# Altium PCB Main_Fly_V1.0.0.PcbDoc (part 1 of 2)
Units mil, origin at the board's own origin, x right, y up, seen from the top; angles counter-clockwise.
Board outline 3667.19 x 3670.52 mil, 2 copper layers (Top Layer, Bottom Layer); 101 components, 66 nets, 311 pads, 145 vias.
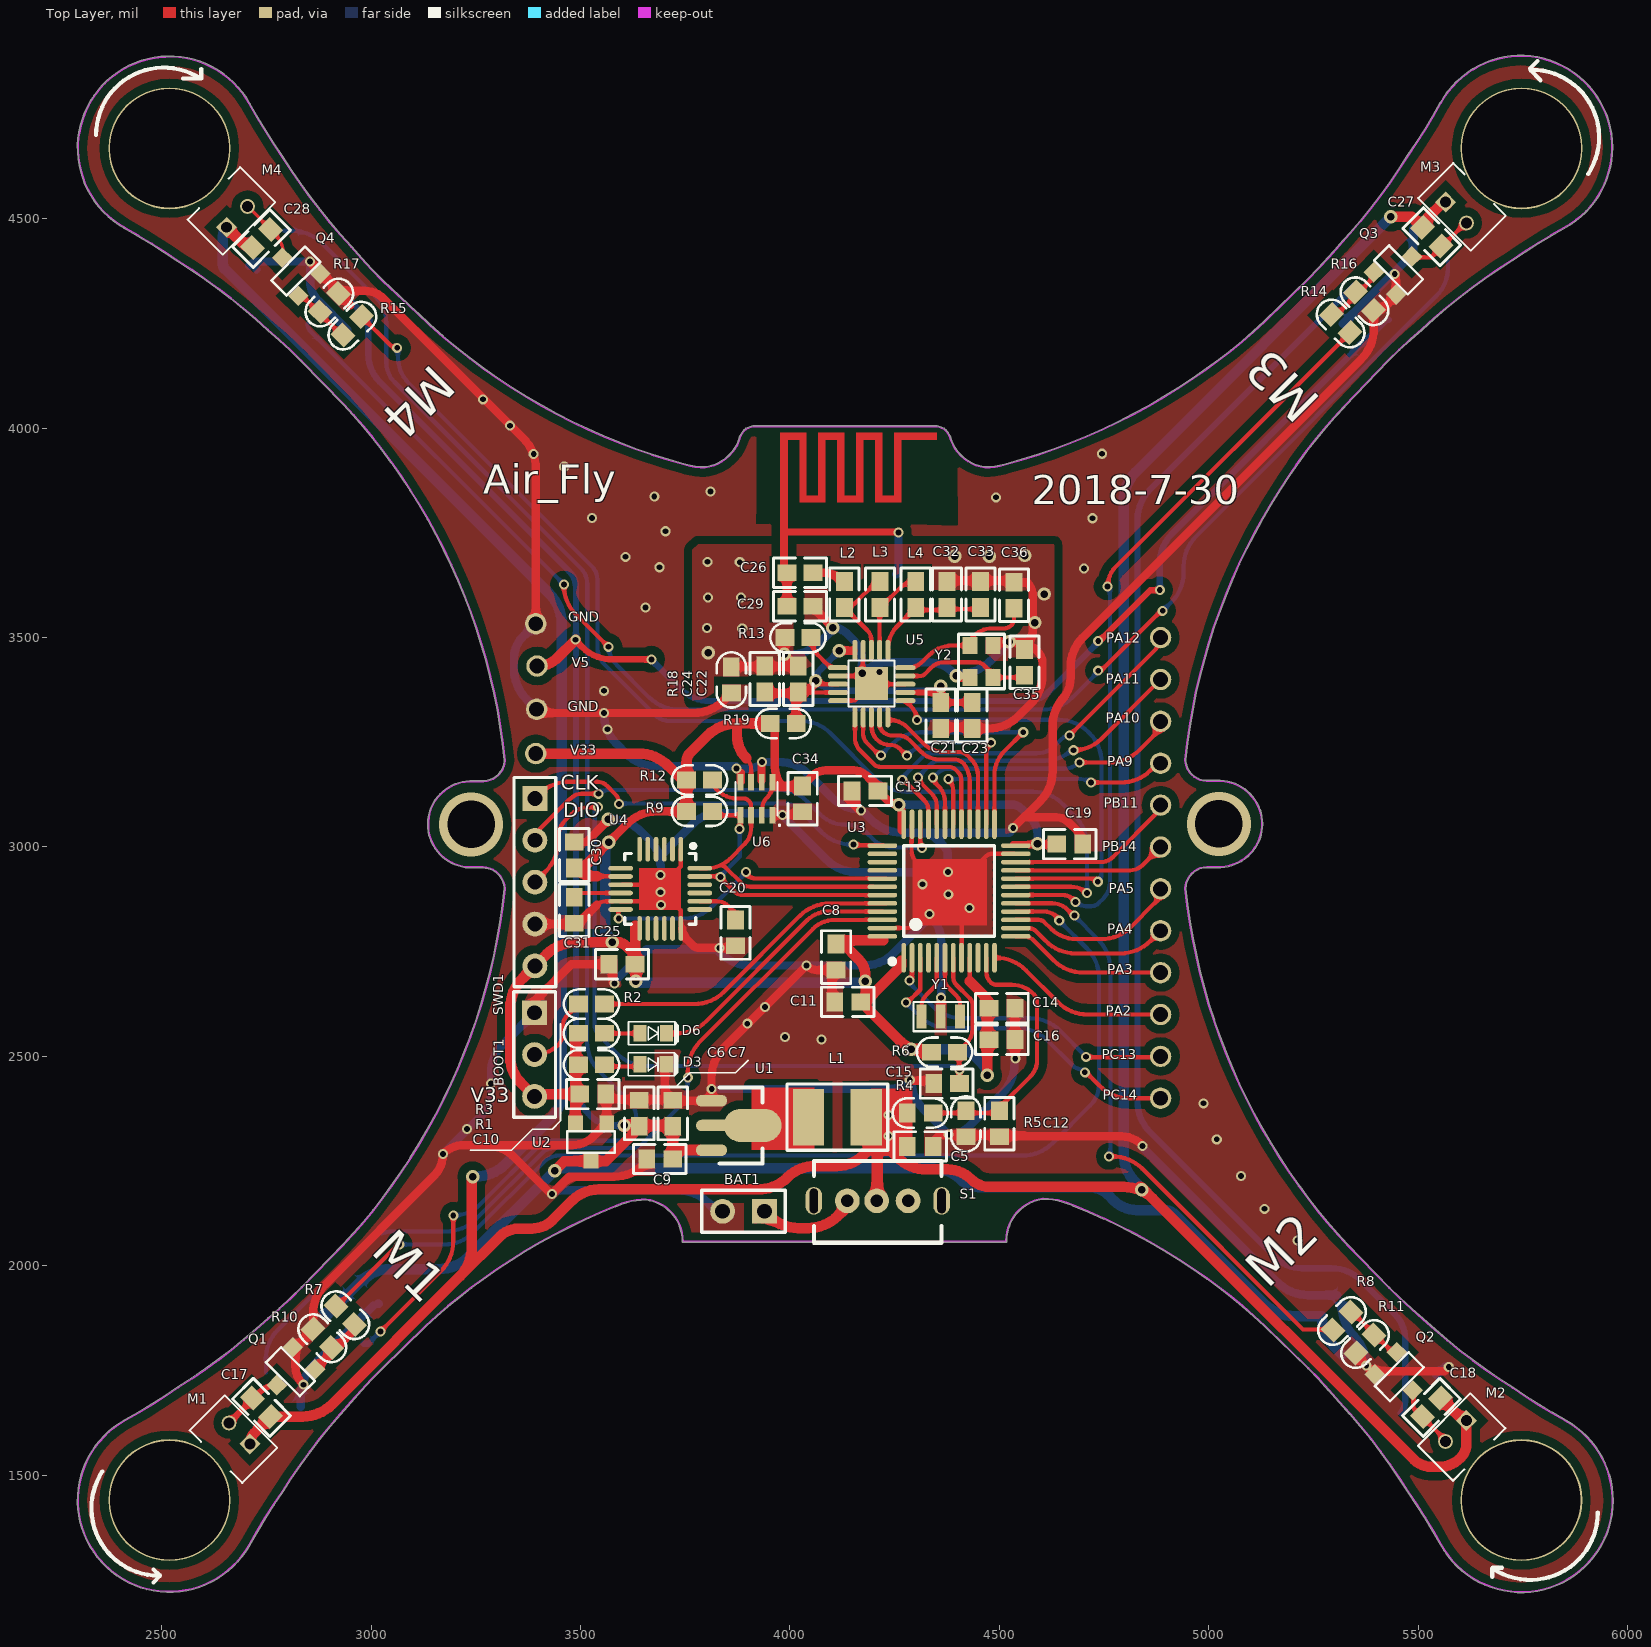
[diagram p0: Top Layer view]
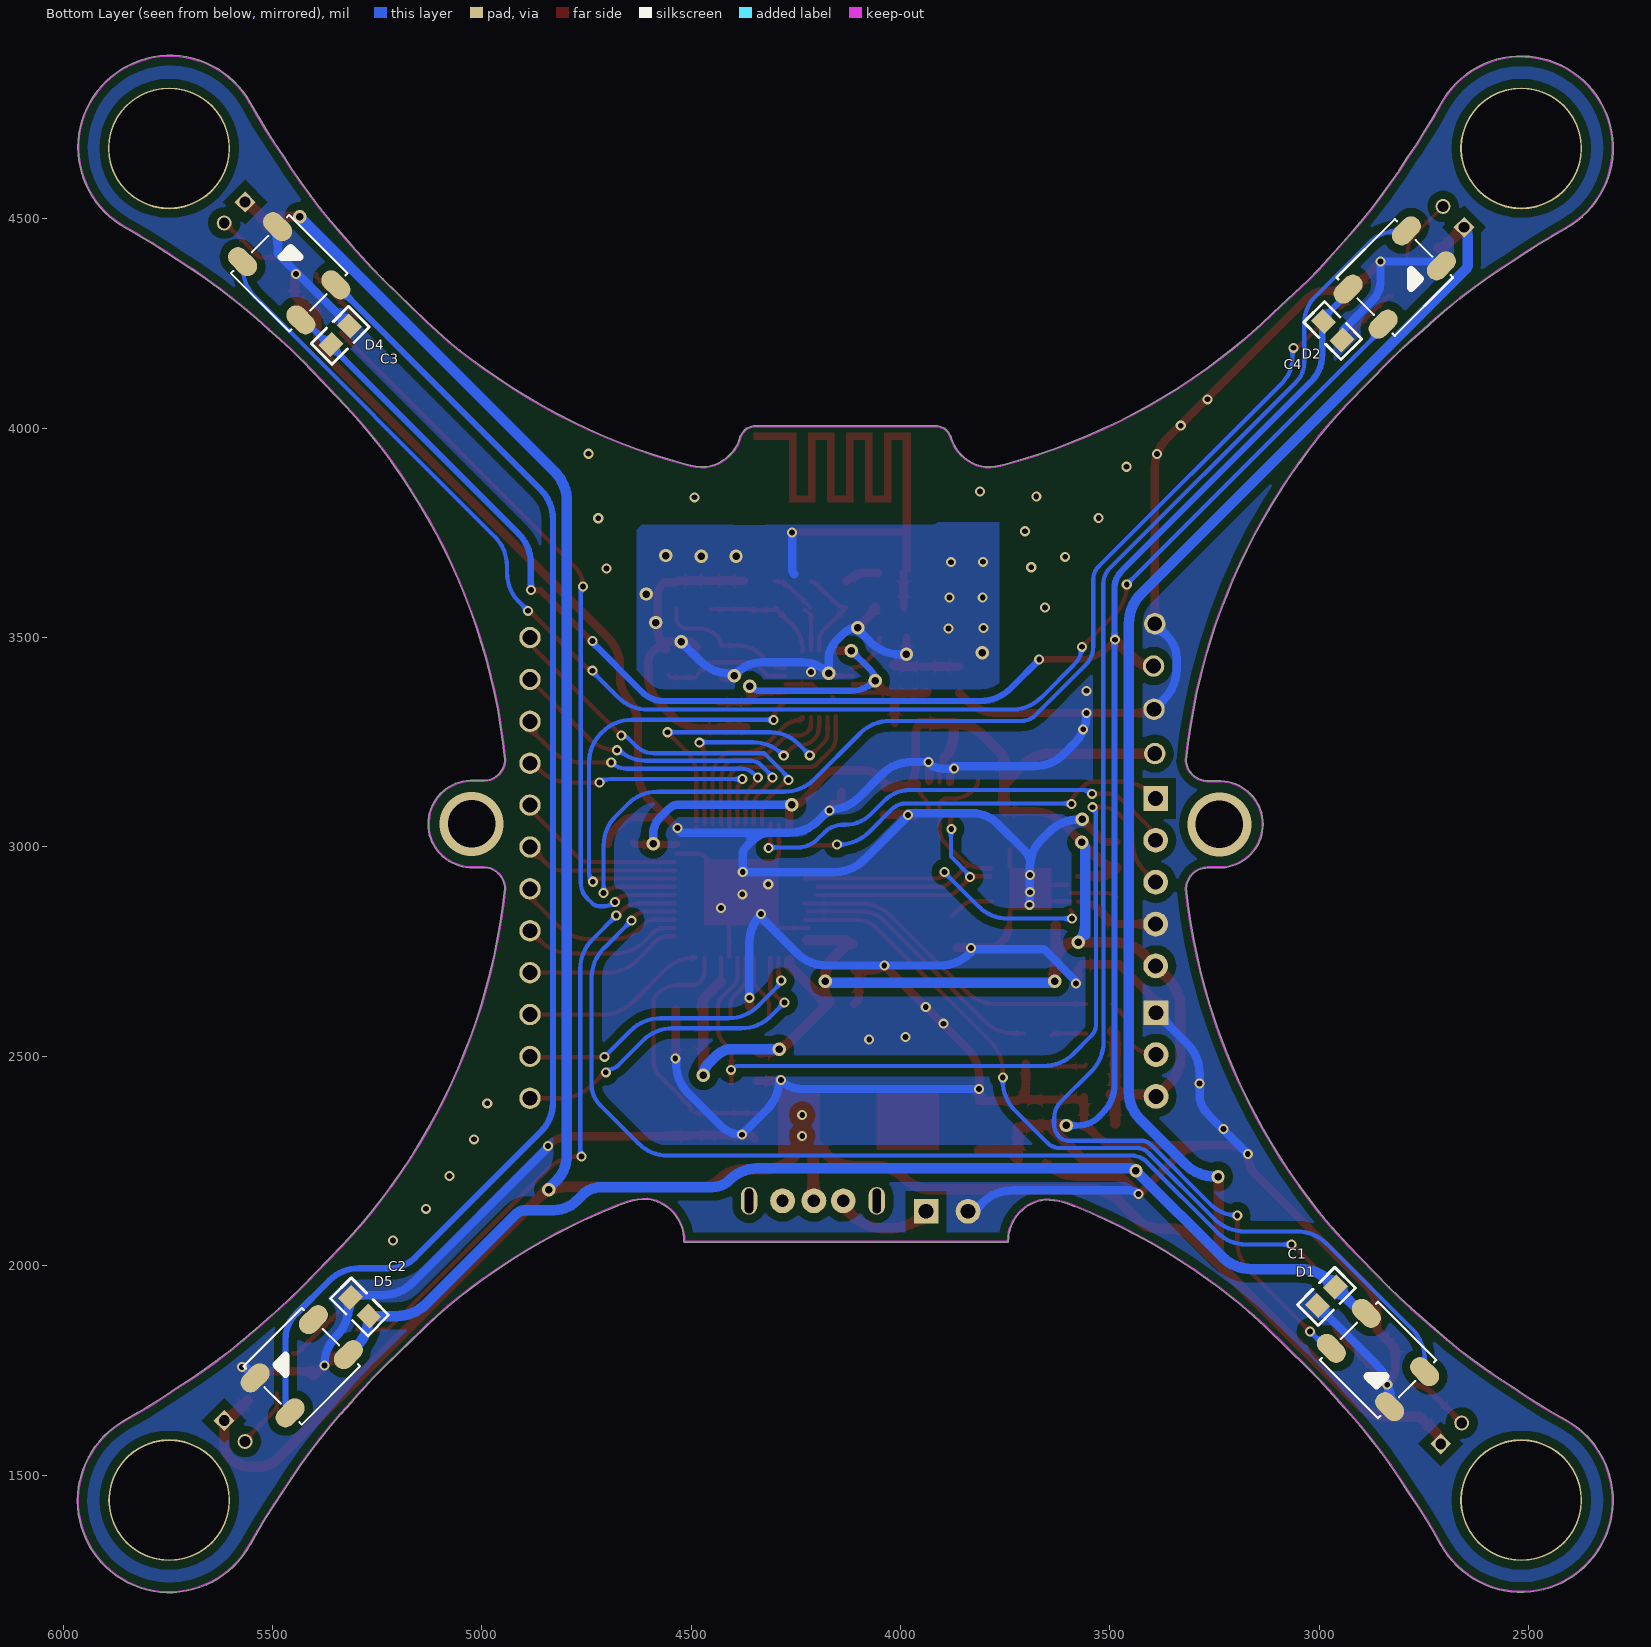
[diagram p1: Bottom Layer view, seen from below]
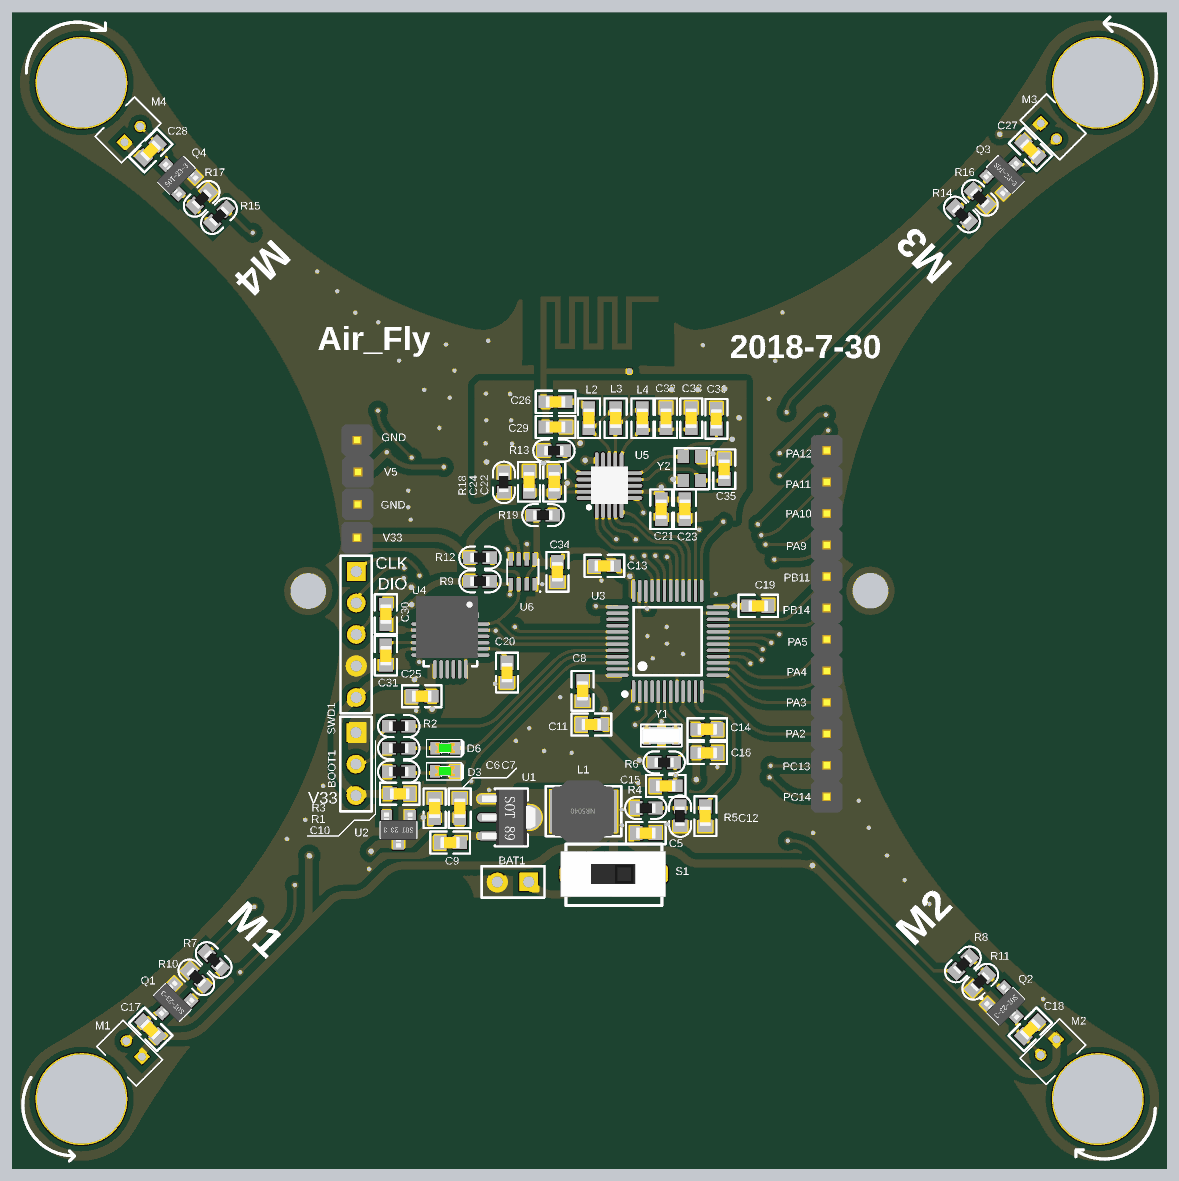
[diagram p3: 3D render of the assembled board from above, using the file's embedded part models]
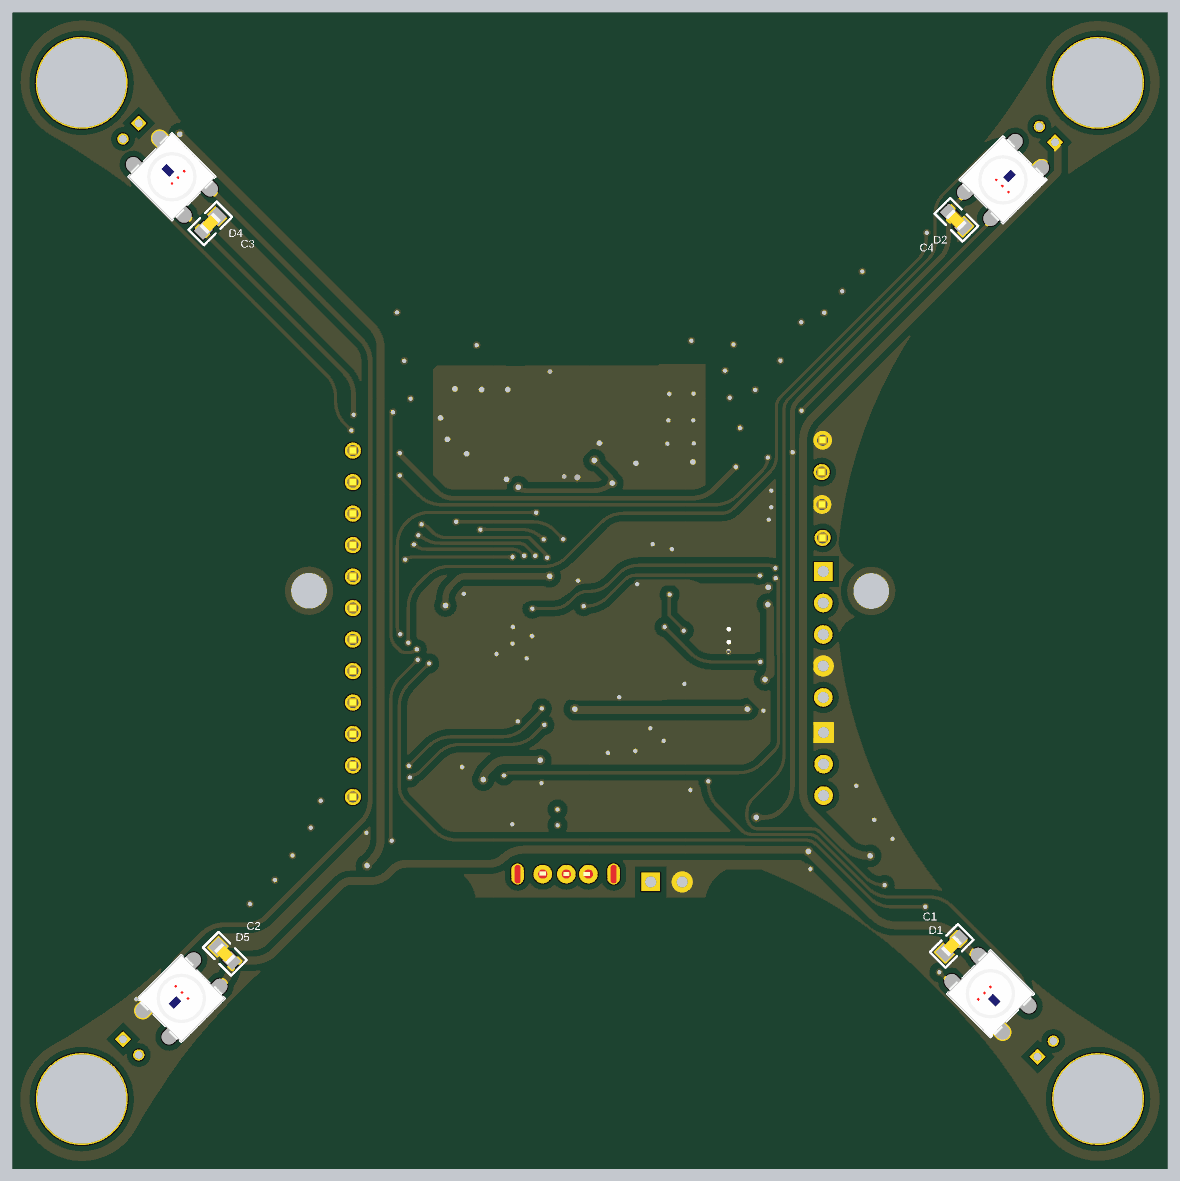
[diagram p4: 3D render of the assembled board from below, using the file's embedded part models]

## Layer stack, top to bottom
Top Solder: solder mask 0.4, Solder Resist, Dk 3.5
Top Layer: signal copper 1.4
Dielectric1: dielectric 12.6, FR-4, Dk 4.8
Bottom Layer: signal copper 1.4
Bottom Solder: solder mask 0.4, Solder Resist, Dk 3.5

## Board outline
2412.49,1632.56 ccw(c2518.07,1439.96) 2709.62,1332.5 ccw(c2708.54,1334.15) 2710.27,1333.19 cw(c4013.74,612.01) 2788.67,1459.56 ccw(c2787.04,1460.69) 2788.7,1459.6 ccw(c2787.05,1460.7) 2788.73,1459.64 cw(c4013.74,690.75) 2952.96,1673.91 ccw(c2951.5,1675.25) 2953.04,1674 cw(c4013.74,769.49) 3027.04,1754.2 3130.81,1855.06 cw(c3974.37,966.34) 3268.41,1967.85 ccw(c3267.28,1969.48) 3268.44,1967.88 cw(c4132.24,771.06) 3584.14,2141.5 ccw(c3583.4,2143.34) 3585.22,2142.56 ccw(c3586.18,2144.29) 3586.99,2142.48 cw(c3656.01,1987.66) 3656.47,2157.17 cw(c3642.79,2058.21) 3742.7,2058.21 cw(c3642.79,2058.21) 3742.7,2058.12 cw(c3642.79,2058.21) 3742.7,2058.1 ccw(c3744.68,2058.1) 3744.73,2056.12 4515.48,2056.12 ccw(c4515.48,2058.1) 4517.46,2058.1 ccw(c4515.48,2058.1) 4517.3,2058.89 ccw(c4515.48,2059.68) 4517.46,2059.68 ccw(c4515.48,2059.68) 4517.46,2059.68 cw(c4617.36,2059.78) 4603.82,2158.76 ccw(c4603.55,2160.73) 4603.94,2158.78 ccw(c4604.34,2160.73) 4604.34,2158.74 cw(c4604.93,1989.24) 4673.96,2144.05 ccw(c4674.76,2145.87) 4674.14,2143.98 ccw(c4675.52,2145.4) 4674.79,2143.56 cw(c4132.24,771.06) 4995.25,1968.28 ccw(c4996.42,1969.88) 4995.28,1968.26 cw(c4289.33,966.73) 5132.89,1855.45 5132.89,1855.46 5132.89,1855.45 5236.66,1754.59 cw(c4249.96,769.88) 5310.66,1674.39 ccw(c5312.2,1675.65) 5310.74,1674.3 cw(c4249.96,691.14) 5474.97,1460.04 ccw(c5476.65,1461.09) 5475,1460 ccw(c5476.66,1461.08) 5475.03,1459.95 cw(c4249.96,612.4) 5553.42,1333.6 ccw(c5555.17,1334.55) 5553.43,1333.59 ccw(c5746.02,1439.17) 5965.66,1439.17 ccw(c5746.02,1439.17) 5853.49,1630.72 ccw(c5851.83,1629.64) 5852.79,1631.37 cw(c6573.98,2934.84) 5726.42,1709.77 ccw(c5725.3,1708.14) 5726.38,1709.8 ccw(c5725.28,1708.15) 5726.34,1709.83 cw(c6495.24,2934.84) 5512.08,1874.06 ccw(c5510.73,1872.6) 5511.98,1874.14 ccw(c6416.5,2934.84) 5512.02,1874.11 5511.98,1874.14 cw(c6416.5,2934.84) 5431.79,1948.14 5431.8,1948.13 5431.79,1948.14 5330.93,2051.91 cw(c6219.65,2895.47) 5218.12,2189.52 ccw(c5216.5,2188.38) 5216.33,2190.36 ccw(c5214.35,2190.51) 5216.34,2190.51 ccw(c5214.35,2190.51) 5215.96,2191.67 cw(c6413.74,3054.92) 4945.28,2901.58 ccw(c4943.31,2901.77) 4945.29,2901.68 cw(c4996.7,2899.41) 4995.21,2950.85 cw(c4996.7,2899.41) 4995.24,2950.85 4995.21,2950.85 5028.56,2950.97 ccw(c5028.56,2952.95) 5028.84,2950.99 ccw(c5024.37,3054.92) 5128.4,3054.92 ccw(c5024.37,3054.92) 5027.84,3158.89 ccw(c5027.77,3156.91) 5027.49,3158.87 4994.76,3158.87 ccw(c4994.45,3156.91) 4994.52,3158.9 cw(c4996.42,3210.43) 4944.9,3208.16 ccw(c4942.91,3208.07) 4944.86,3208.43 cw(c6413.74,3054.92) 5216.58,3919.77 ccw(c5214.97,3920.93) 5216.95,3920.93 ccw(c5214.97,3920.93) 5216.95,3921.08 cw(c6229.95,3191.8) 5324.64,4051.12 ccw(c5323.2,4052.49) 5324.79,4051.3 ccw(c5323.75,4052.99) 5325.19,4051.63 5429.43,4161.31 cw(c6414.13,3174.61) 5509.62,4235.31 ccw(c5508.37,4236.85) 5509.72,4235.39 cw(c6492.87,3174.61) 5723.98,4399.62 ccw(c5722.92,4401.3) 5724.02,4399.65 ccw(c5722.93,4401.31) 5724.06,4399.68 cw(c6571.61,3174.61) 5850.41,4478.07 ccw(c5849.47,4479.81) 5850.42,4478.07 ccw(c5744.84,4670.67) 5964.48,4670.67 ccw(c5744.84,4670.67) 5553.29,4778.13 ccw(c5554.38,4776.48) 5552.64,4777.44 cw(c4249.17,5498.62) 5474.24,4651.07 ccw(c5475.87,4649.94) 5474.21,4651.03 ccw(c5475.87,4649.93) 5474.19,4650.99 cw(c4249.17,5419.88) 5309.96,4436.72 ccw(c5311.41,4435.38) 5309.87,4436.63 ccw(c4249.17,5341.14) 5309.9,4436.66 5309.87,4436.63 cw(c4249.17,5341.14) 5235.87,4356.43 5235.88,4356.44 5235.87,4356.43 5132.11,4255.57 5132.1,4255.57 5132.11,4255.57 cw(c4288.54,5144.29) 4995.04,4143.15 ccw(c4995.56,4141.24) 4994.4,4142.85 cw(c4132.24,5337.99) 4513.23,3914.43 ccw(c4513.75,3912.51) 4513.17,3914.41 ccw(c4465.91,4077.2) 4513.19,3914.42 4513.17,3914.41 cw(c4465.91,4077.2) 4465.45,3907.69 cw(c4479.13,4006.65) 4382.44,3981.5 ccw(c4380.52,3981) 4381.59,3982.68 ccw(c4334.61,3960.04) 4369.04,3999.21 ccw(c4367.73,3997.72) 4367.97,3999.69 ccw(c4345.24,3960.04) 4344.03,4005.72 ccw(c4345.24,3960.04) 4344,4005.72 4344.06,4005.72 3918.89,4005.72 cw(c3917.68,3960.04) 3918.91,4005.72 3918.89,4005.72 ccw(c3917.68,3960.04) 3894.95,3999.69 ccw(c3895.18,3997.72) 3893.87,3999.21 ccw(c3928.31,3960.04) 3881.32,3982.68 ccw(c3882.39,3981) 3880.47,3981.5 cw(c3783.78,4006.65) 3797.46,3907.69 cw(c3797,4077.2) 3749.72,3914.42 ccw(c3749.17,3912.51) 3749.68,3914.43 cw(c4131.69,5335.93) 3110.9,4275.46 3110.9,4275.47 ccw(c3109.52,4274.04) 3110.87,4275.5 3110.88,4275.48 3110.87,4275.5 3027.43,4353.68 cw(c4014.13,5338.39) 2953.43,4433.87 cw(c4014.13,5338.39) 2953.4,4433.91 2953.43,4433.87 ccw(c2951.89,4432.62) 2953.35,4433.97 cw(c4014.13,5417.13) 2789.12,4648.23 ccw(c2787.44,4647.17) 2789.09,4648.27 ccw(c2787.43,4647.19) 2789.06,4648.31 cw(c4014.13,5495.87) 2710.67,4774.66 ccw(c2708.93,4773.72) 2710.67,4774.67 ccw(c2518.07,4669.09) 2410.61,4477.54 ccw(c2412.27,4478.63) 2411.3,4476.89 cw(c1690.12,3173.43) 2537.67,4398.5 ccw(c2538.8,4400.13) 2537.71,4398.47 ccw(c2538.81,4400.12) 2537.76,4398.44 cw(c1768.86,3173.43) 2752.02,4234.21 ccw(c2753.36,4235.66) 2752.11,4234.13 cw(c1847.6,3173.43) 2832.31,4160.12 2832.3,4160.14 2832.31,4160.12 2933.17,4056.36 2933.17,4056.35 2933.17,4056.36 cw(c2044.45,3212.8) 3045.97,3918.74 ccw(c3047.59,3919.89) 3047.06,3917.98 cw(c1849.17,3054.13) 3318.05,3207.65 ccw(c3320,3207.29) 3318.02,3207.37 cw(c3266.5,3209.65) 3268.39,3158.11 ccw(c3268.46,3156.13) 3268.15,3158.09 3235.42,3158.09 ccw(c3235.14,3156.12) 3235.08,3158.1 ccw(c3238.54,3054.13) 3234.08,2950.2 ccw(c3234.36,2952.17) 3234.35,2950.18 3267.7,2950.06 cw(c3266.22,2898.63) 3317.62,2900.9 ccw(c3319.61,2900.98) 3317.63,2900.79 cw(c1849.17,3054.13) 3046.95,2190.88 ccw(c3048.56,2189.72) 3046.58,2189.9 cw(c2045.63,2896.65) 2934.35,2053.09 2934.35,2053.1 2934.35,2053.09 2833.49,1949.32 cw(c1848.78,2936.02) 2753.29,1875.32 cw(c1848.78,2936.02) 2753.26,1875.29 2753.29,1875.32 ccw(c2754.54,1873.78) 2753.2,1875.24 cw(c1770.04,2936.02) 2538.94,1711.01 ccw(c2539.99,1709.33) 2538.89,1710.98 ccw(c2539.98,1709.32) 2538.85,1710.95 cw(c1691.3,2936.02) 2412.5,1632.56 ccw(c2413.44,1630.82)

## Design rules (kind name [scope] priority, off if disabled: settings)
Clearance Clearance_1 [(INPolygon)] p1: gap=20 ignorepadtopadclearanceinfootprint=FALSE except(0: Arc-Hole Track-Hole SMDPad-Hole THPad-Hole Via-Hole Fill-Hole Poly-Hole Region-Hole Text-Hole)
Clearance [All] p2: gap=7.87 ignorepadtopadclearanceinfootprint=FALSE except(0: Arc-Hole Track-Hole SMDPad-Hole THPad-Hole Via-Hole Fill-Hole Poly-Hole Region-Hole Text-Hole)
ComponentClearance [All] p1 off: gap=10 collisioncheckmode=3 verticalgap=10 showdistances=FALSE
FabricationTestpoint [(IsPad And (OnTopLayer Or OnBottomLayer))] p1: side=3 testpointundercomponent=TRUE minsize=40 maxsize=100 preferedsize=60 minholesize=0 maxholesize=40 preferedholesize=32 testpointgrid=1 allowsidetop=TRUE allowsidebottom=TRUE usegrid=TRUE gridtolerance=0.01
HoleSize [All] p1 off: absolutevalues=TRUE maxlimit=100 minlimit=1 maxpercent=80.000 minpercent=20.000
LayerPairs [All] p1 off: enforce=TRUE
PolygonConnect [All] p1: connectstyle=Direct reliefconductorwidth=10 reliefentries=4 polygonreliefangle="90 Angle" airgapwidth=10
RoutingVias [All] p1: holewidth=14 width=24 viastyle="Through Hole" minholewidth=12 minwidth=22 maxholewidth=400 maxwidth=180
SilkToSolderMaskClearance SilkscreenOverComponentPads [IsPad] p1: minsilkscreentomaskgap=10 clearancetoexposedcopper=TRUE
SolderMaskExpansion [All] p1: expansion=4
Width [All] p1: maxlimit=200 minlimit=7.87 preferedwidth=10
25 further rules are at their usual default settings.
